# KiCad board proteus.kicad_pcb (continued)
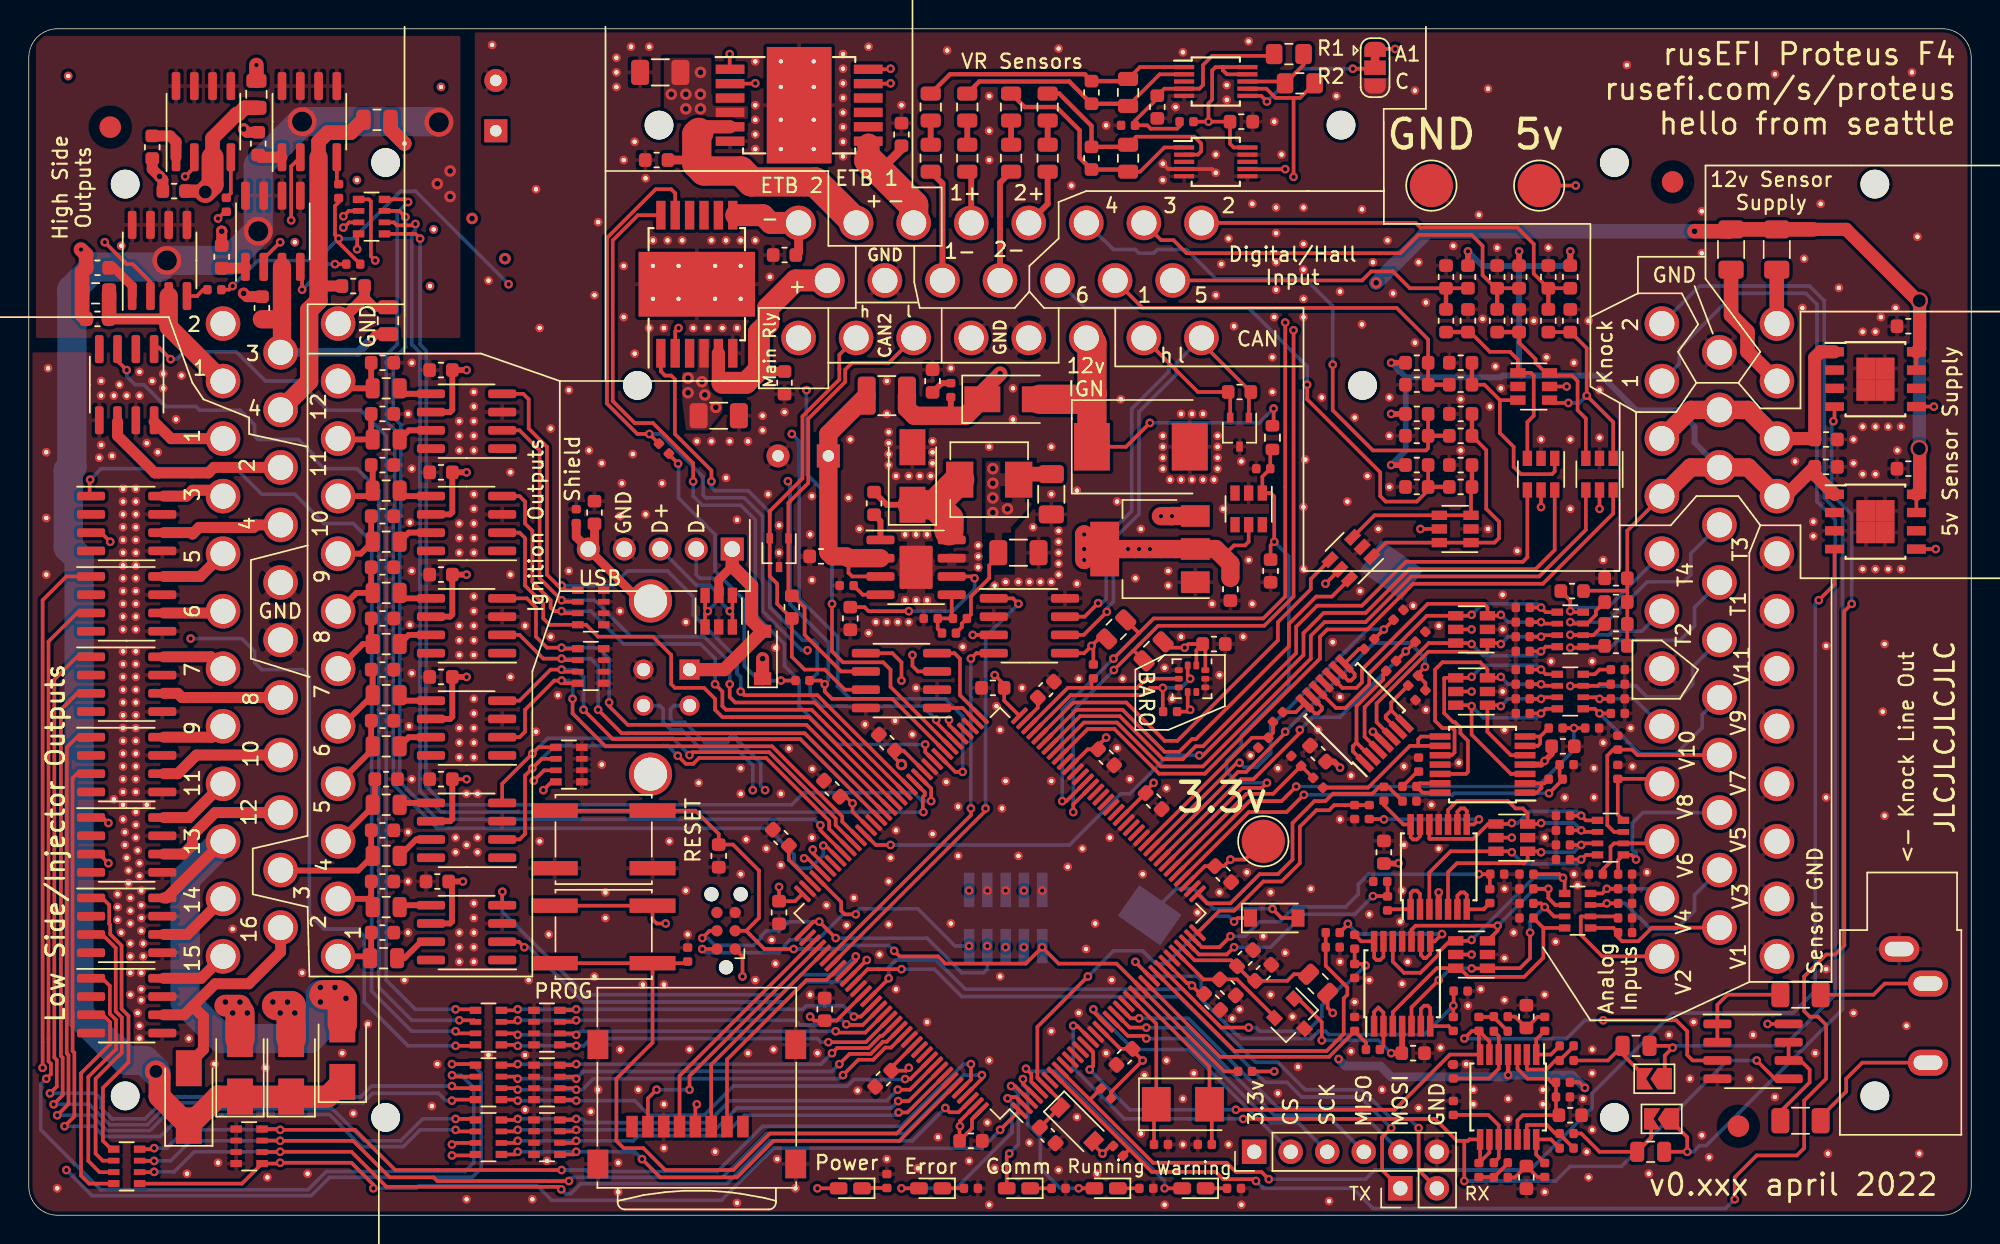
[diagram p0: board, top side]
## Nets (continued)
/mcu/SD_MOSI: J1.3 U1501.113
/mcu/SD_SCK: J1.5 U1501.111
/mcu/SWCLK: J4.4 J1502.4 U1501.109
/mcu/SWDIO: J4.2 J1502.2 U1501.105
/mcu/UART_RX: J2.2 U1501.122
/mcu/UART_TX: J2.1 U1501.119
/quad_analog3/IN4: R904.1 RN901.4
/quad_analog3/OUT4: R20.1 R24.2
/triggers/VR1_OUT: R1215.2 R1220.1 U1203.7 U1501.58
/triggers/VR2_OUT: R1216.2 U1204.7 U1501.59
/USB_D+: J1501.3 J1504.3 U1501.104 U1502.1 U1502.6
/USB_D-: J1501.2 J1504.2 U1501.103 U1502.3 U1502.4
/USB_SHIELD: C1516.1 J1501.5 J1504.5 R1501.1
/VR1+: J101.5 R1205.2
/VR1-: J101.13 R1208.2
/VR2+: J101.4 R1210.2
/VR2-: J101.12 R1213.2
Net-(BT1-Pad1): BT1.1 D3.2
Net-(C1-Pad1): C1.1 RN701.8 U1.6 U701.3
Net-(C2-Pad1): C2.1 RN701.7 U1.1 U701.5
Net-(C3-Pad1): C3.1 RN701.6 U1.3 U701.10
Net-(C4-Pad1): C4.1 RN701.5 U1.4 U701.12
Net-(C5-Pad1): C5.1 RN801.8 U2.6 U801.3
Net-(C6-Pad1): C6.1 RN801.7 U2.1 U801.5
Net-(C7-Pad1): C7.1 RN801.6 U2.3 U801.10
Net-(C8-Pad1): C8.1 RN801.5 U2.4 U801.12
Net-(C9-Pad1): C9.1 RN901.8 U3.6 U901.3
Net-(C10-Pad1): C10.1 RN901.7 U3.1 U901.5
Net-(C11-Pad1): C11.1 RN901.6 U3.3 U901.10
Net-(C12-Pad1): C12.1 RN901.5 U3.4 U901.12
Net-(C13-Pad1): C13.1 RN1101.8 U4.6 U1101.3
Net-(C14-Pad1): C14.1 RN1101.7 U4.1 U1101.5
Net-(C15-Pad1): C15.1 RN1101.6 U4.3 U1101.10
Net-(C16-Pad1): C16.1 RN1101.5 U4.4 U1101.12
Net-(C18-Pad1): C18.1 J3.R
Net-(C18-Pad2): C18.2 U7.6 U7.7
Net-(C19-Pad1): C19.1 J3.T
Net-(C19-Pad2): C19.2 U7.1 U7.2
Net-(C21-Pad2): C21.2 R42.1 R44.2
Net-(C22-Pad2): C22.2 R43.1 R45.2
Net-(C23-Pad1): C23.1 R44.1 R46.2
Net-(C24-Pad1): C24.1 R45.1 R47.2
Net-(C25-Pad2): C25.2 R46.1 U5.5
Net-(C26-Pad2): C26.2 R47.1 U5.10
Net-(C30-Pad1): C30.1 D3.1 D4.1 U1501.6
Net-(C902-Pad1): C902.1 U903.6
Net-(C904-Pad1): C904.1 U903.1
Net-(C904-Pad2): C904.2 D901.1 L1001.1 U903.8
Net-(C905-Pad2): C905.2 R907.1 R908.1 U903.5
Net-(C1001-Pad1): C1001.1 C1002.1 L1002.2 U903.2 U903.3
Net-(C1006-Pad1): C1006.1 R906.2
Net-(C1205-Pad1): C1205.1 R1202.1 U1106.1 U1202.3
Net-(C1208-Pad1): C1208.1 R1204.1 U1107.3 U1107.4 U1208.3
Net-(C1209-Pad1): C1209.1 R1206.1 R1207.2 U1203.2
Net-(C1209-Pad2): C1209.2 R1207.1 R1209.1 U1203.1
Net-(C1210-Pad1): C1210.1 R1211.1 R1212.2 U1204.2
Net-(C1210-Pad2): C1210.2 R1212.1 R1214.1 U1204.1
Net-(C1212-Pad1): C1212.1 R1217.2 R1218.2 R1219.2 U1203.4
Net-(C1402-Pad1): C1402.1 R1402.1 U1106.3 U1202.1
Net-(C1404-Pad1): C1404.1 R1404.1 U1106.4 U1207.1
Net-(C1406-Pad1): C1406.1 R1406.1 U1106.6 U1207.3
Net-(C1408-Pad1): C1408.1 R1408.1 U1107.1 U1107.6 U1208.1
Net-(C1518-Pad1): C1518.1 U1501.71
Net-(C1519-Pad1): C1519.1 U1501.106
Net-(C1520-Pad1): C1520.1 U8.2 U1501.32
Net-(C1521-Pad1): C1521.1 U1501.23 Y1501.1
Net-(C1522-Pad1): C1522.1 U1501.24 Y1501.2
Net-(C1901-Pad1): C1901.1 JP1.2 R1901.2
Net-(C1902-Pad1): C1902.1 JP2.2 R1902.2
Net-(D1501-Pad3): D1501.3
Net-(D1501-Pad4): D1501.4
Net-(D1501-Pad6): D1501.6
Net-(D1502-Pad1): D1502.1 R1508.2
Net-(D1503-Pad2): D1503.2 J1501.1 J1504.1 U1502.5
Net-(D1504-Pad1): D1504.1 R1509.2
Net-(D1505-Pad1): D1505.1 R1510.2
Net-(D1506-Pad1): D1506.1 R1511.2
Net-(D1507-Pad1): D1507.1 R1512.2
Net-(F101-Pad1): F101.1 J103.11
Net-(F102-Pad2): F102.2 J103.12
Net-(J1-Pad1): J1.1
Net-(J1-Pad8): J1.8
Net-(J4-Pad6): J4.6
Net-(J1502-Pad6): J1502.6
Net-(J1502-Pad7): J1502.7
Net-(J1502-Pad8): J1502.8
Net-(JP1201-Pad2): JP1201.2 U1203.6
Net-(R1-Pad2): R1.2 U701.1 U701.2
Net-(R2-Pad2): R2.2 U701.6 U701.7
Net-(R3-Pad2): R3.2 U701.8 U701.9
Net-(R4-Pad2): R4.2 U701.13 U701.14
Net-(R9-Pad2): R9.2 U801.1 U801.2
Net-(R10-Pad2): R10.2 U801.6 U801.7
Net-(R11-Pad2): R11.2 U801.8 U801.9
Net-(R12-Pad2): R12.2 U801.13 U801.14
Net-(R17-Pad2): R17.2 U901.1 U901.2
Net-(R18-Pad2): R18.2 U901.6 U901.7
Net-(R19-Pad2): R19.2 U901.8 U901.9
Net-(R20-Pad2): R20.2 U901.13 U901.14
Net-(R25-Pad2): R25.2 U1101.1 U1101.2
Net-(R26-Pad2): R26.2 U1101.6 U1101.7
Net-(R27-Pad2): R27.2 U1101.8 U1101.9
Net-(R28-Pad2): R28.2 U1101.13 U1101.14
Net-(R905-Pad1): R905.1 U903.4
Net-(R1105-Pad1): R1105.1 U1102.4
Net-(R1106-Pad1): R1106.1 U1102.1
Net-(R1107-Pad1): R1107.1 U1103.4
Net-(R1108-Pad1): R1108.1 U1103.1
Net-(R1109-Pad1): R1109.1 U1104.4
Net-(R1110-Pad1): R1110.1 U1104.1
Net-(R1111-Pad1): R1111.1 U1105.4
Net-(R1112-Pad1): R1112.1 U1105.1
Net-(R1205-Pad1): R1205.1 R1206.2
Net-(R1208-Pad1): R1208.1 R1209.2
Net-(R1210-Pad1): R1210.1 R1211.2
Net-(R1213-Pad1): R1213.1 R1214.2
Net-(R1219-Pad1): R1219.1 R1220.2 U1203.8
Net-(R1601-Pad2): R1601.2 U1602.7
Net-(R1602-Pad2): R1602.2 U1602.5
Net-(R1603-Pad2): R1603.2 U1603.7
Net-(R1604-Pad2): R1604.2 U1603.5
Net-(R1701-Pad2): R1701.2 U1701.7
Net-(R1702-Pad2): R1702.2 U1701.5
Net-(R1703-Pad2): R1703.2 U1702.7
Net-(R1704-Pad2): R1704.2 U1702.5
Net-(R1801-Pad2): R1801.2 U1801.7
Net-(R1802-Pad2): R1802.2 U1801.5
Net-(R1803-Pad2): R1803.2 U1802.7
Net-(R1804-Pad2): R1804.2 U1802.5
Net-(R1901-Pad1): R1901.1 R1903.2 U5.2
Net-(R1902-Pad1): R1902.1 R1904.2 U5.13
Net-(R1903-Pad1): R42.2 R1903.1 U5.1
Net-(R1904-Pad1): R43.2 R1904.1 U5.14
Net-(RN201-Pad5): RN201.5 U201.1
Net-(RN201-Pad6): RN201.6 U201.3
Net-(RN201-Pad7): RN201.7 U202.1
Net-(RN201-Pad8): RN201.8 U202.3
Net-(RN301-Pad5): RN301.5 U301.1
Net-(RN301-Pad6): RN301.6 U301.3
Net-(RN301-Pad7): RN301.7 U302.1
Net-(RN301-Pad8): RN301.8 U302.3
Net-(RN401-Pad5): RN401.5 U401.1
Net-(RN401-Pad6): RN401.6 U401.3
Net-(RN401-Pad7): RN401.7 U402.1
Net-(RN401-Pad8): RN401.8 U402.3
Net-(RN501-Pad5): RN501.5 U501.1
Net-(RN501-Pad6): RN501.6 U501.3
Net-(RN501-Pad7): RN501.7 U502.1
Net-(RN501-Pad8): RN501.8 U502.3
Net-(RN1301-Pad5): RN1301.5 U1102.2
Net-(RN1301-Pad6): RN1301.6 U1103.2
Net-(RN1301-Pad7): RN1301.7 U1104.2
Net-(RN1301-Pad8): RN1301.8 U1105.2
Net-(U9-Pad7): U9.7
Net-(U10-Pad3): U10.3
Net-(U10-Pad8): U10.8
Net-(U10-Pad9): U10.9
Net-(U10-Pad10): U10.10
Net-(U11-Pad3): U11.3
Net-(U11-Pad8): U11.8
Net-(U11-Pad9): U11.9
Net-(U11-Pad10): U11.10
Net-(U201-Pad2): U201.2
Net-(U201-Pad4): U201.4
Net-(U202-Pad2): U202.2
Net-(U202-Pad4): U202.4
Net-(U301-Pad2): U301.2
Net-(U301-Pad4): U301.4
Net-(U302-Pad2): U302.2
Net-(U302-Pad4): U302.4
Net-(U401-Pad2): U401.2
Net-(U401-Pad4): U401.4
Net-(U402-Pad2): U402.2
Net-(U402-Pad4): U402.4
Net-(U501-Pad2): U501.2
Net-(U501-Pad4): U501.4
Net-(U502-Pad2): U502.2
Net-(U502-Pad4): U502.4
Net-(U1004-Pad2): U1004.2
Net-(U1004-Pad6): U1004.6
Net-(U1005-Pad2): U1005.2
Net-(U1005-Pad6): U1005.6
Net-(U1203-Pad3): U1203.3
Net-(U1204-Pad3): U1204.3
Net-(U1204-Pad8): U1204.8
Net-(U1501-Pad7): U1501.7
Net-(U1501-Pad10): U1501.10
Net-(U1501-Pad11): U1501.11
Net-(U1501-Pad12): U1501.12
Net-(U1501-Pad13): U1501.13
Net-(U1501-Pad22): U1501.22
Net-(U1501-Pad49): U1501.49
Net-(U1501-Pad50): U1501.50
Net-(U1501-Pad53): U1501.53
Net-(U1501-Pad54): U1501.54
Net-(U1501-Pad55): U1501.55
Net-(U1501-Pad56): U1501.56
Net-(U1501-Pad57): U1501.57
Net-(U1501-Pad60): U1501.60
Net-(U1501-Pad63): U1501.63
Net-(U1501-Pad75): U1501.75
Net-(U1501-Pad76): U1501.76
Net-(U1501-Pad102): U1501.102
Net-(U1501-Pad110): U1501.110
Net-(U1501-Pad132): U1501.132
Net-(U1501-Pad133): U1501.133
Net-(U1602-Pad1): U1602.1
Net-(U1602-Pad8): U1602.8
Net-(U1603-Pad1): U1603.1
Net-(U1603-Pad8): U1603.8
Net-(U1701-Pad1): U1701.1
Net-(U1701-Pad8): U1701.8
Net-(U1702-Pad1): U1702.1
Net-(U1702-Pad8): U1702.8
Net-(U1801-Pad1): U1801.1
Net-(U1801-Pad8): U1801.8
Net-(U1802-Pad1): U1802.1
Net-(U1802-Pad8): U1802.8

## Via types
v1: diameter 0.599, hole 0.3, Top to Bottom, 321 vias
v2: diameter 0.8, hole 0.4, Top to Bottom, 42 vias
v3: diameter 0.6, hole 0.3, Top to Bottom, 48 vias
v4: diameter 1.2, hole 0.9, Top to Bottom, 4 vias
v5: diameter 2, hole 1.4, Top to Bottom, 4 vias

## Routing (per net, layer and track width the routed paths; a pad name or vN(x,y) marks a point on that pad's centre or on a via; arc(x,y) is an arc through that point)
+3V3: length 235
  Top w0.254: R1216.1 74.34,40.07 v3(73.86,39.59) ; D4.2 74.01,4.9 v1(74.62,4.29) 75.16,4.82 R1007.2 ; R1502.2 v3(86.56,10) ; R1215.1 79.25,39.46 v1(80.34,39.46) 80.59,39.72 C20.1 ; U1501.108 53.26,21.84 C1513.2 v1(52.14,22.83) ; FB1501.1 90.27,14.42 v1(90.62,14.06) ; U9.10 81.77,39.53 C20.1 ; D1501.5 84.78,46.83 84.53,46.58 83.77,46.58 83,45.81 82.5,46.32 ; U1501.95 57.25,28.07 v1(57.25,28.64) 56.79,29.1 C1508.2 ; R1001.2 v1(52.27,37.18) ; SW1502.2 SW1502.2 43.35,20.57 43.63,20.29 v1(44.27,20.29) ; U1501.143 64.72,6.55 v1(64.72,6.19) 64.69,6.16 C1511.2 65.56,6.04 65.56,6.68 U1501.144 ; v3(108.15,8.86) 107.77,9.24 R40.2 ; U1501.30 80.49,16.14 80.67,16.14 v3(80.84,15.97) 81.43,15.38 C1505.2 ; v1(60.65,37.18) 60.65,38.45 60.02,39.08 U6.5 ; v1(61.16,10.25) 60.95,10.05 C1512.2 59.94,10.26 U1501.131 61.51,11.87 ; R48.2 44.48,52.91 v1(45.13,52.26) ; v1(45.16,61.69) 44.93,61.46 44.93,59.94 ; C20.1 81.14,39.28 U9.1 ; R1105.2 13.92,64.36 v3(14.17,64.61) ; R1107.2 13.62,69.78 v1(13.15,69.31) ; 74.53,5.26 74.53,5.21 ; v1(49.6,16.6) 49.6,18 J4.1 ; U1501.17 75.87,11.57 C1515.2 76.7,11.48 v3(77.42,10.76) 75.22,8.56 R1006.2 ; U1501.72 67.79,35.79 C1503.2 67.79,36.9 v1(67.13,37.56) ; U10.2 50.47,78.68 v1(50.49,78.71) ; R41.1 80.59,35.02 v1(80.72,35.15) 80.55,35.32 U9.6 ; U1501.121 56.14,13.53 C1510.2 54.58,13.53 v1(54.3,13.81) ; v3(74.88,33.22) 74.32,32.66 C1504.2 73.6,32.4 U1501.62 ; J108.1 84.53,24.73 v3(83.51,24.73) 83.05,24.27 C1506.2 81.73,24.27 U1501.39 ; J1.4 46.33,7.61 v1(46.43,7.71) ; v3(78.18,30.07) 77.62,29.51 C1509.2 77.62,29.35 U1501.52 ; R1111.2 21.54,70.43 21.28,70.18 21.28,68.17 v3(21.54,67.91) 21.54,67.63 R1109.2 ; U1501.84 60.79,32.3 C1507.2 60.19,31.8 v2(60.65,31.34) ; v3(73.86,39.59) 73.99,39.46 R39.1 ; v3(73.86,39.59) 73.35,39.08 U904.5 ; D1502.2 v1(54.81,1.87)
  Top w0.305: 108.05,8.75 v3(108.15,8.86) ; U5.4 v3(102.82,9.75)
  Top w1.27: v1(73.35,45.56) v1(73.35,46.32) v1(73.35,47.34) 74.37,46.32 U902.2 U902.2 82.5,46.32 83.51,45.31 C903.1
  In2.Cu w0.254: v1(33.35,64.74) 40.59,64.74 42.87,62.45 45.16,62.45 ; 45.16,62.45 v1(45.16,61.69) 45.13,61.66 v1(45.13,52.26) ; 45.16,62.45 46.43,63.72 46.43,70.58 48.71,72.87 48.71,77.69 49.73,78.71 v1(50.49,78.71) ; v1(13.15,69.31) 13.15,69.65 13.68,70.18 19.27,70.18 v3(21.54,67.91)
  Bottom w0.254: v1(45.13,52.26) 45.16,52.23 45.16,49.88 47.7,47.34 47.7,44.8 49.73,42.77 49.73,38.19 50.75,37.18 v1(52.27,37.18) ; J1502.1 v1(65.35,22.57) ; v1(33.35,64.74) 26.87,71.21 25.85,71.21 22.55,67.91 v3(21.54,67.91) 20.01,66.39 15.95,66.39 v3(14.17,64.61)
  Bottom w0.61: v3(108.15,8.86) 107.26,9.75 v3(102.82,9.75) 102.69,9.62 94.69,9.62 93.93,10.38 91.52,10.38 v3(91.03,10.86)
  vias: v1(76.4,46.32) v1(77.16,46.32) v1(77.92,46.32)
+5V: length 100.3
  Top w0.254: C1004.1 67.38,45.81 66.75,45.18 66.75,44.29 65.48,43.02 65.48,41.77 R908.2 64.84,41.14 64.84,40.88 C905.1 ; U3.5 v1(100.28,36.42) ; 63.13,37.81 61.8,37.81 61.41,38.19 v1(61.41,38.96) ; U1207.5 v1(109.17,49.12) ; U1202.5 v1(105.1,49.24) ; U1208.5 v1(90.12,43.91) ; 82.99,79.83 82.99,79.61 83.26,79.34 ; 82.99,79.83 82.48,79.83 82.24,79.6 82.24,77.56 81.99,77.31 v1(81.99,76.04) ; 82.99,79.83 U1203.10 ; J107.1 v1(107.52,71.59) ; v1(81.99,76.04) C1211.1 83.49,74.5 83.74,74.25 U1204.10 ; v1(81.99,76.04) R1217.1 ; U8.1 88.23,15.06 89.86,13.43 v1(89.86,12.16) ; U4.5 v1(100.28,40.73) ; U1203.9 83.27,79.33 ; U7.8 v1(120.85,13.3) ; C1607.2 v1(30.43,30.32) ; U1.5 v1(100.28,18.13) ; U904.3 v1(65.61,40.35) ; U1107.5 v1(96.72,47.72) ; U1005.5 v1(132.41,56.23) ; JP1201.1 v1(94.97,81.09) ; U1004.5 v1(132.53,46.32) ; U1106.5 v1(106.88,57.62) ; U2.5 v1(103.07,26.26)
  Top w0.406: 27.95,20.29 29.28,20.29 29.41,20.41 29.41,22.98 C1604.2 v1(30.17,23.21) ; U1101.4 v1(93.42,33.62) ; v1(91.13,31.12) 90.72,31.54 C1101.1 ; U801.4 v1(97.99,22.45) ; U1702.6 29.28,41.62 29.44,41.78 C1704.2 v1(30.43,44.54) ; C801.1 95.17,24.45 v1(95.2,24.48) ; U1801.6 29.28,48.73 29.44,48.89 C1801.2 v1(30.43,51.66) ; U901.4 105.1,31.34 v1(105.36,31.59) 105.84,32.07 C901.1 ; v1(94.69,11.27) C701.1 95.45,11.3 U701.4 ; C1607.2 29.44,27.55 29.28,27.4 U1603.6 ; v1(30.43,58.77) C1804.2 29.44,56 29.28,55.85 U1802.6 ; U1701.6 29.28,34.51 29.44,34.66 C1701.2 v1(30.43,37.43)
  Top w0.914: D1503.1 v2(51,38.7)
  Top w1.016: C906.1 69.18,51.53 L1001.2
  Top w1.27: U902.3 79.46,48.62 v1(79.45,48.61) v1(78.69,48.61)
  Bottom w0.254: v1(89.86,12.16) 93.8,12.16 v1(94.69,11.27)
  vias: v2(67,51.91) v2(67,50.89) v2(67,49.88) v2(67,48.86) v2(68.02,49.12)
/5V_SENSOR_1: length 87.1
  Top w0.254: R1101.1 R1102.1 R1103.1 111.1,43.43 ; J103.32 111.1,47.6 C1409.2 111.1,43.43 ; 111.1,43.43 108.07,43.43 R1104.1
  Top w0.406: R1405.1 v1(103.58,67.02) ; R1401.1 v1(94.69,59.28) ; R1203.1 v1(94.69,52.16) ; R1201.1 v1(100.02,67.02) ; R1407.1 v1(94.69,55.72) ; R1403.1 v1(107.13,67.02)
  Top w0.914: U1004.1 124.13,51.5 C1016.1 122.09,50 J103.9
  Top w1.27: J103.32 115.5,52 J103.21 119.5,52 J103.9
  Bottom w0.406: 95.7,55.72 95.7,53.18 v1(94.69,52.16) ; 95.7,55.72 95.7,58.26 ; 95.7,55.72 v1(94.69,55.72) ; v1(107.13,67.02) 107.13,66.52 106.63,66.01 103.58,66.01 ; 95.7,58.26 v1(94.69,59.28) ; 95.7,58.26 102.31,58.26 102.44,58.39 103.7,58.39 ; 103.7,58.39 103.58,58.51 103.58,66.01 ; 103.7,58.39 109.29,58.39 111.71,55.97 114.63,55.97 115.77,54.83 115.77,53.73 J103.21 ; 103.58,66.01 v1(103.58,67.02) ; 103.58,66.01 101.04,66.01 v1(100.02,67.02)
/5V_SENSOR_2: length 19.5
  Top w0.914: J103.10 124.07,54 C1018.1 124.13,59.63 124.53,60.04 U1005.1
  Top w1.27: J103.10 119.5,56 J103.22 115.5,56 J103.33
/12V_MR: length 108
  Top w0.406: 53.42,61.08 J101.23
  Top w1.524: D103.1 20.77,8.25 D104.1 D101.1 13.15,8.25 D102.1 9.09,8.25 9.09,9.75 v4(8.84,10)
  Bottom w2.032: 2.74,51.78 2.74,46.45 3.5,45.69 3.5,13.94 5.79,11.65 5.91,11.65 6.8,10.76 8.07,10.76 v4(8.84,10) ; 2.74,51.78 2.99,52.04 ; 2.74,51.78 2.99,52.04 ; 2.99,52.04 2.99,64.36 4.57,65.94 9.15,65.94 v5(9.6,66.39) 13.92,66.39 v5(15.95,68.42) 15.95,72.99 v5(19,76.04) 28.46,76.04 v5(28.5,76)
  vias: v2(28.39,71.72) v2(29.28,72.61) v2(29.28,70.83) v2(30.81,69.31) v2(33.09,66.52) v2(44.65,77.94) v2(45.67,77.94) v2(45.67,76.93) v2(45.82,58.21) v2(45.82,57.19) v2(46.68,79.47) v2(46.68,77.94) v2(46.68,76.93) v2(46.78,57.96) v2(46.99,57.04) v2(47.75,56.18)
/12V_PROT: length 100.4
  Top w0.254: U1005.7 U1005.8 ; U1004.7 U1004.8
  Top w0.406: R906.1 64.08,55.72 63.95,55.59
  Top w0.914: U1004.8 131.42,50.36 C1015.1 131.42,53.28 v4(131.39,53.31) ; 124.02,68.55 126.31,68.55 131.26,63.59 v4(131.39,63.59) 131.42,63.57 C1017.1 131.42,60.27 U1005.8
  Top w1.016: v2(67.51,58.51) 66.12,57.13 66.12,56.74 ; v2(115.77,68.42) 118.18,68.42 F101.2 F102.1 124.02,68.55
  Top w1.27: D903.1 65.13,55.59 61.54,55.59 61.03,56.1 61.03,56.99 L1002.1
  In2.Cu w1.016: v2(93.64,64.84) 87.32,58.51 v2(67.51,58.51)
  Bottom w0.914: v4(131.39,53.31) v4(131.39,63.59)
  Bottom w1.016: v2(93.64,64.84) 97.23,68.42 v2(115.77,68.42)
/12V_RAW: length 26.8
  Top w0.254: v3(86.52,56.09) 86.52,54.98 R1503.1 ; v3(77.92,55.09) 76.26,53.43 D1001.1
  Top w1.524: D903.2 70.59,56.74
  Top w2.032: 73.89,57.15 73.89,57.07 73.55,56.74 D903.2 ; 73.89,57.15 73.89,60.61 J101.18 ; 73.89,57.15 D1001.1
  Bottom w0.254: v3(77.92,55.09) 85.52,55.09 v3(86.52,56.09)
/AV1: length 9.9
  Top w0.254: J103.13 112.82,20 111.87,19.05 110.74,19.05 110.46,19.33 R701.1 110.14,19.98 RN701.1
/AV2: length 10.2
  Top w0.254: J103.24 109.37,18 107.86,19.5 107.86,20.75 107.89,20.78 RN701.2 110.35,20.78 R702.1
/AV3: length 12.9
  Top w0.254: RN701.3 109.57,21.58 v1(109.67,21.68) R703.1
  Bottom w0.254: v1(109.67,21.68) 110.94,21.68 112.72,19.91 114.5,19.91 115.77,21.18 115.77,22.27 J103.14
/AV4: length 6.2
  Top w0.254: R704.1 v1(109.67,22.7) 109.35,22.38 RN701.4
  Bottom w0.254: J103.25 112.8,22.7 v1(109.67,22.7)
/AV5: length 11.5
  Top w0.254: R801.1 110.46,24.69 RN801.1 111.38,25.06 v1(111.71,24.73)
  Bottom w0.254: J103.15 112.18,28 111.45,27.27 111.45,25.41 111.71,25.16 v1(111.71,24.73)
/AV6: length 5.8
  Top w0.254: J103.26 113.36,25.86 RN801.2 110.17,25.86 109.93,25.61 109.93,24.57 109.4,24.04 R802.1
/AV7: length 14.3
  Top w0.254: J103.16 111.8,32 111.43,32.38 R803.1 110.12,32.38 109.71,31.97 109.71,27.12 110.17,26.66 RN801.3
/AV8: length 6.3
  Top w0.254: RN801.4 110.44,27.85 R804.1 113.16,30.34 J103.27
/AV9: length 13.7
  Top w0.254: R901.1 v1(109.17,34.89) 108.84,35.22 RN901.1
  Bottom w0.254: v1(109.17,34.89) 111.96,32.1 114.5,32.1 116.3,33.9 116.3,34.8 J103.17
/AV10: length 7.1
  Top w0.254: RN901.2 109.06,36.02 v1(109.17,35.91) R902.1
  Bottom w0.254: J103.28 111.59,35.91 v1(109.17,35.91)
/AV11: length 16.1
  Top w0.254: v1(107.13,36.8) 107.15,36.82 RN901.3 109.06,36.82 109.17,36.92 R903.1
  Bottom w0.254: 107.26,36.92 v1(107.13,36.8) 111.71,36.8 112.47,36.03 114.75,36.03 115.64,36.92 115.64,38.14 J103.18
/mcu/5V_SENSOR_1_PG: length 94.1
  Top w0.254: 73.71,8.07 78.13,3.65 83.26,3.65 83.89,3.01 85.67,3.01 v1(86.18,2.51) ; 73.71,8.07 73.79,8.07 R1006.1 ; 73.71,8.07 U1501.9 ; v1(124.41,42.77) 125.5,43.86 U1004.4
  Bottom w0.254: v1(86.18,2.51) 92.91,2.51 93.55,3.14 104.34,3.14 108.66,7.46 108.66,8.48 114.25,14.06 122.63,14.06 124.15,15.59 124.15,42.51 v1(124.41,42.77)
/mcu/5V_SENSOR_2_PG: length 114.7
  Top w0.254: 76.46,4.6 76.46,4.55 R1007.1 ; 76.46,4.6 78.05,3.01 82.5,3.01 83,2.51 85.16,2.51 v1(85.29,2.38) ; 76.46,4.6 71.33,9.74 U1501.8 ; v1(118.56,1.11) 118.56,2.63 120.09,4.16 122.88,4.16 123.39,4.67 123.39,7.97 124.91,9.49 124.91,13.24 124.34,13.81 123.77,13.81 123.39,14.19 123.39,16.6 124.91,18.13 125.55,18.13 126.18,18.76 126.18,42 v1(126.69,42.51) ; U1005.4 125.5,55.29 v1(125.42,55.21)
  Bottom w0.254: v1(125.42,55.21) 125.29,55.09 125.29,50.13 126.69,48.73 v1(126.69,42.51) ; v1(118.56,1.11) 117.93,0.47 93.42,0.47 92.02,1.87 85.8,1.87 v1(85.29,2.38)
/mcu/12V_DIVIDED: length 39.3
  Top w0.254: v1(86.05,30.07) 85.7,29.71 84.34,29.71 U1501.43 ; C1523.1 86.31,46.58 v1(86.56,46.83) 86.56,49.97 86.31,50.22 D1501.1 85.73,51.36 R1504.1 86.28,53.09 R1503.2
  Bottom w0.254: v1(86.56,46.83) 87.58,45.81 87.58,36.67 84.27,33.37 84.27,32.61 83.26,31.59 83.26,30.83 84.02,30.07 v1(86.05,30.07)
/mcu/AV1: length 18.9
  Top w0.254: U1501.26 82.79,11.02 90.37,11.02 92.15,12.79 ; 92.15,12.79 92.93,12.01 R1.1 ; 92.15,12.79 R5.2
/mcu/AV2: length 29.7
  Top w0.254: v1(76.91,17.62) 76.91,17.6 U1501.27 ; R2.1 v1(99.01,14.57) 99.03,14.59 R6.2
  Bottom w0.254: v1(99.01,14.57) 97,12.57 90.34,12.57 90.12,12.79 89.64,12.79 89.13,12.29 84.27,12.29 84.02,12.54 83.96,12.54 81.48,15.02 81.48,16.35 81.23,16.6 77.92,16.6 v1(76.91,17.62)
/mcu/AV3: length 23.5
  Top w0.254: R3.1 R7.2 90.14,17.34 91.64,15.84 91.64,15.33 91.39,15.08 91.39,12.61 90.2,11.42 83.8,11.42 U1501.28
/mcu/AV4: length 20.2
  Top w0.254: R4.1 R8.2 92.81,17.47 v1(92.91,17.37) ; v1(84.78,13.05) 82.88,13.05 U1501.29
  Bottom w0.254: v1(84.78,13.05) 85.29,13.05 85.54,12.79 88.85,12.79 89.86,13.81 89.86,14.57 91.39,16.1 91.64,16.1 v1(92.91,17.37)
/mcu/AV5: length 17
  Top w0.254: v1(93.42,22.19) 94.41,22.19 R9.1 94.43,23.19 R13.2 ; v1(83.77,18.64) 83.26,18.13 81.33,18.13 U1501.34
  Bottom w0.254: v1(93.42,22.19) 92.15,20.92 88.59,20.92 86.31,18.64 v1(83.77,18.64)
/mcu/AV6: length 24.5
  Top w0.254: v1(83.51,19.4) 82.75,18.64 81.53,18.64 U1501.35 ; v1(100.78,23.72) R14.2 101.55,23.69 R10.1
  Bottom w0.254: v1(100.78,23.72) 93.12,23.72 92.4,23 92.4,22.32 91.51,21.43 87.96,21.43 86.94,20.41 85.54,20.41 84.53,19.4 v1(83.51,19.4)
/mcu/AV7: length 17.1
  Top w0.254: R11.1 R15.2 90.73,28.52 90.37,28.16 89.48,28.16 88.34,27.02 88.34,24.48 87.07,23.21 85.8,23.21 83.77,21.18 82.76,21.18 U1501.36
/mcu/AV8: length 19.8
  Top w0.254: U1501.37 81.9,21.68 83.51,21.68 85.54,23.72 86.81,23.72 87.83,24.73 87.83,27.27 89.35,28.8 90.12,28.8 90.64,29.32 93.39,29.32 93.86,29.79 R12.1 94.48,29.79 R16.2
/mcu/AV9: length 30.4
  Top w0.254: v1(88.62,29.23) 87.42,28.03 84.79,28.03 U1501.40 ; R21.2 106.39,30.53 R17.1 106.6,30.29 v1(105.66,29.34)
  Bottom w0.254: v1(88.62,29.23) 98.93,29.23 99.04,29.34 v1(105.66,29.34)
/mcu/AV10: length 34.2
  Top w0.254: R22.2 v1(107.39,33.88) R18.1 ; v1(88.08,29.81) 87.07,28.8 84.84,28.8 U1501.41
  Bottom w0.254: v1(88.08,29.81) 104.85,29.81 107.39,32.35 v1(107.39,33.88)
/mcu/AV11: length 13.1
  Top w0.254: R19.1 R23.2 86.48,29.3 84.64,29.3 U1501.42
/mcu/VDDA: length 10.2
  Top w0.254: FB1501.2 87.93,16.76 87.47,16.3 C1502.1 84.99,16.3 C1501.1 83.56,17.73 81.03,17.73 U1501.33
  Top w0.406: 84.18,17.11 C1501.1
GND: length 23.8
  Top w0.254: NOREF#354.1 82.23,72.75 U1204.4 79.19,72.75 NOREF#202.1
  Top w0.61: C25.1 98.91,10.48 ; 23.34,63.84 24.04,63.13 R36.2
  Top w0.762: C1302.2 9.32,72 v2(9.09,72.23) 8.58,72.74 R1108.2 ; C1303.2 15.16,63.87 v2(14.93,64.1) ; C1304.2 23.34,63.84 J102.24 ; R1110.2 v2(13.41,68.42) ; v2(14.93,75.53) 15.16,75.3 R1112.2
  Top w1.016: C1301.2 3.71,62.6 R34.2 3.71,65.6 R1106.2 3.98,66.79 v1(3.63,67.15) ; R37.2 25.14,75.48 NOREF#360.1 ; R35.2 v1(15.82,79.98)
  Bottom w0.254: J1502.5 v1(67.89,22.57) ; 66.62,22.62 v1(66.62,22.57) ; J1502.9 v1(70.43,22.57)
/AT1: length 15.4
  Top w0.254: v1(107.13,39.46) 107.96,39.46 RN1101.1 109.46,39.53 R1101.2
  Bottom w0.254: v1(107.13,39.46) 109.93,39.46 110.44,39.97 114.75,39.97 115.77,40.99 115.77,42.27 J103.19
/AT2: length 9.8
  Top w0.254: v1(107.13,40.35) 107.15,40.33 RN1101.2 108.74,40.33 R1102.2
  Bottom w0.254: v1(107.13,40.35) 109.8,40.35 110.06,40.61 112.11,40.61 J103.30
/AT3: length 17.2
  Top w0.254: R1103.2 108.91,42.03 108.91,41.75 108.3,41.13 RN1101.3 107.24,41.13 v1(107.13,41.24)
  Bottom w0.254: J103.20 115.52,46.02 115.52,44.54 115.01,44.04 112.47,44.04 109.67,41.24 v1(107.13,41.24)
/AT4: length 10.6
  Top w0.254: RN1101.4 107.2,41.93 v1(107.13,42) 107.13,42.74 R1104.2
  Bottom w0.254: v1(107.13,42) 107.39,42.26 109.76,42.26 J103.31
/CAN2+: length 31.6
  Top w0.254: 56.33,58.87 56.33,58.11 53.77,55.55 53.77,51.23 51.49,48.95 D2.2 51.49,44.43 52.02,43.91 52.02,42.51 R33.1 53.03,38.83 53.92,37.94 55.32,37.94 56.72,36.54 U6.7 ; 56.33,58.87 56.33,59.83 J101.22 57.6,60.9 ; 56.33,58.87 56.33,58.77
/CAN2-: length 32.6
  Top w0.254: 58.18,37.81 56.46,37.81 53.92,40.35 53.92,42.26 53.11,43.07 R33.2 52.79,43.31 D2.1 52.79,49.53 54.17,50.92 54.17,55.38 56.74,57.94 56.74,58.79 57.22,59.28 59.78,59.28 J101.21
  Top w0.406: 62.48,61 J101.21
/CAN+: length 34.1
  Top w0.254: v1(74.32,42.56) 73.38,41.62 U904.7 ; D1.2 83.5,57.11 R1004.1 81.26,57.24 J101.17 76.91,60.41
  Bottom w0.254: J101.17 79.25,59.25 79.25,58.67 76.65,56.08 76.65,48.97 74.88,47.19 74.88,42.87 74.56,42.56 v1(74.32,42.56)
/CAN-: length 32.4
  Top w0.254: U904.6 73.32,40.35 v1(74.92,41.96) ; 84.8,55.45 84.8,57.11 R1004.2 81.5,60.68 J101.16
  Bottom w0.254: J101.16 79.75,59.25 79.75,58.46 77.16,55.87 77.16,48.76 75.38,46.98 75.38,42.66 74.92,42.2 v1(74.92,41.96)
/DIGITAL_1: length 28.1
  Top w0.254: C1401.1 R1401.2 97.25,60.9 95.07,63.09 77.41,63.09 J101.10
  Top w0.305: R1402.2 C1401.1
/DIGITAL_2: length 30.2
  Top w0.254: R1403.2 C1403.1 104.59,65.47 104.59,67.53 103.45,68.67 96.72,68.67 96.39,69 J101.1
  Top w0.305: C1403.1 R1404.2
/DIGITAL_3: length 31.7
  Top w0.254: R1405.2 C1405.1 101.95,64.46 101.04,65.37 101.04,67.4 100.28,68.17 96.59,68.17 95.32,66.9 80.46,66.9 79.56,67.8 78.7,67.8 J101.2
  Top w0.305: R1406.2 C1405.1
/DIGITAL_4: length 38.7
  Top w0.254: v3(90.62,59.15) 90.62,55.97 93.42,53.18 97.1,53.18 97.25,53.33 C1407.1 R1407.2
  Top w0.305: C1407.1 R1408.2
  Bottom w0.254: J101.3 74.7,67.8 74.73,67.8 75.38,67.15 76.91,67.15 77.16,66.9 78.18,66.9 78.43,67.15 80.46,67.15 82.5,65.12 88.72,65.12 90.62,63.21 v3(90.62,59.15)
/DIGITAL_5: length 22.7
  Top w0.254: R1201.2 C1204.1 95.98,64.46 94.81,65.63 93.29,65.63 92.67,65 J101.9
  Top w0.305: C1204.1 R1202.2
/DIGITAL_6: length 38
  Top w0.254: v1(88.85,57.75) 88.85,56.74 93.93,51.66 93.93,50.01 94.31,49.62 96.47,49.62 97.25,50.41 C1207.1 R1203.2
  Top w0.305: R1204.2 C1207.1
  Bottom w0.254: v1(88.85,57.75) 88.85,59.02 84.78,63.09 73.41,63.09 J101.11
/ETB1+: length 19.7
  Top w0.61: 46.43,73.12 46.17,73.37 C1202.2
  Top w0.914: 46.43,75.15 46.96,75.68 U10.5
  Top w2.032: 46.57,75.29 46.43,75.15 46.43,73.12 46.94,72.61 49.48,72.61 50.24,71.85 54.65,71.85 J101.7
/ETB1-: length 9.2
  Top w0.61: 59.13,72.61 60.65,74.14 C1203.1
  Top w1.524: 58.34,74.44 58.37,74.44 58.37,73.37
  Top w2.032: 58.37,73.37 61.5,70.24 J101.6
/ETB2+: length 16.7
  Top w0.61: C28.2 50.63,58.67 50.49,58.53
  Top w0.914: 48.21,57.88 47.93,58.16 47.93,59.94
  Top w1.524: 48.21,57.88 49.84,57.88 50.75,58.78 50.75,61.38 51.39,62.02 51.39,63.1 53.3,65 J101.15
/ETB2-: length 6.9
  Top w0.61: C29.1 53.5,66.96 J101.8
  Top w1.524: J101.8 51.56,69 51.03,69.54 49.17,69.54
/etb-1/DIR: length 59.5
  Top w0.254: U10.1 48.71,79.71 v1(48.71,80.74) ; 63.7,32.93 63.73,32.93 64.03,32.64 U1501.79 59.89,36.74 59.89,37.94 59.38,38.45 56.59,38.45 55.83,39.21 v1(55.83,42.51)
  In2.Cu w0.254: v1(54.05,57.37) 51.51,59.91 51.51,63.98 52.52,64.99 52.52,67.28 51.51,68.29 51.51,73.37 51.25,73.63 51.25,78.96 50.75,79.47 48.97,79.47 48.71,79.72 v1(48.71,80.74)
  Bottom w0.254: v1(55.83,42.51) 55.83,49.75 54.05,51.53 v1(54.05,57.37)
/etb-1/DIS: length 61
  Top w0.254: U1501.80 60.02,35.91 55.83,35.91 55.32,36.42 v1(55.32,36.92) 55.06,37.18 R1001.1 ; v1(59.89,78.71) 59.87,78.68 U10.11
  In2.Cu w0.254: v1(52.76,51.04) 52.8,51.04 54.05,52.29 54.05,54.32 59.64,59.91 59.64,62.2 61.41,63.98 61.41,66.01 59.38,68.04 59.38,78.2 v1(59.89,78.71)
  Bottom w0.254: v1(55.32,36.92) 55.57,37.18 55.57,39.84 52.91,42.51 52.91,50.89 v1(52.76,51.04)
